# Altium PCB spin5v1_simple.PcbDoc (part 9 of 25) (continued)
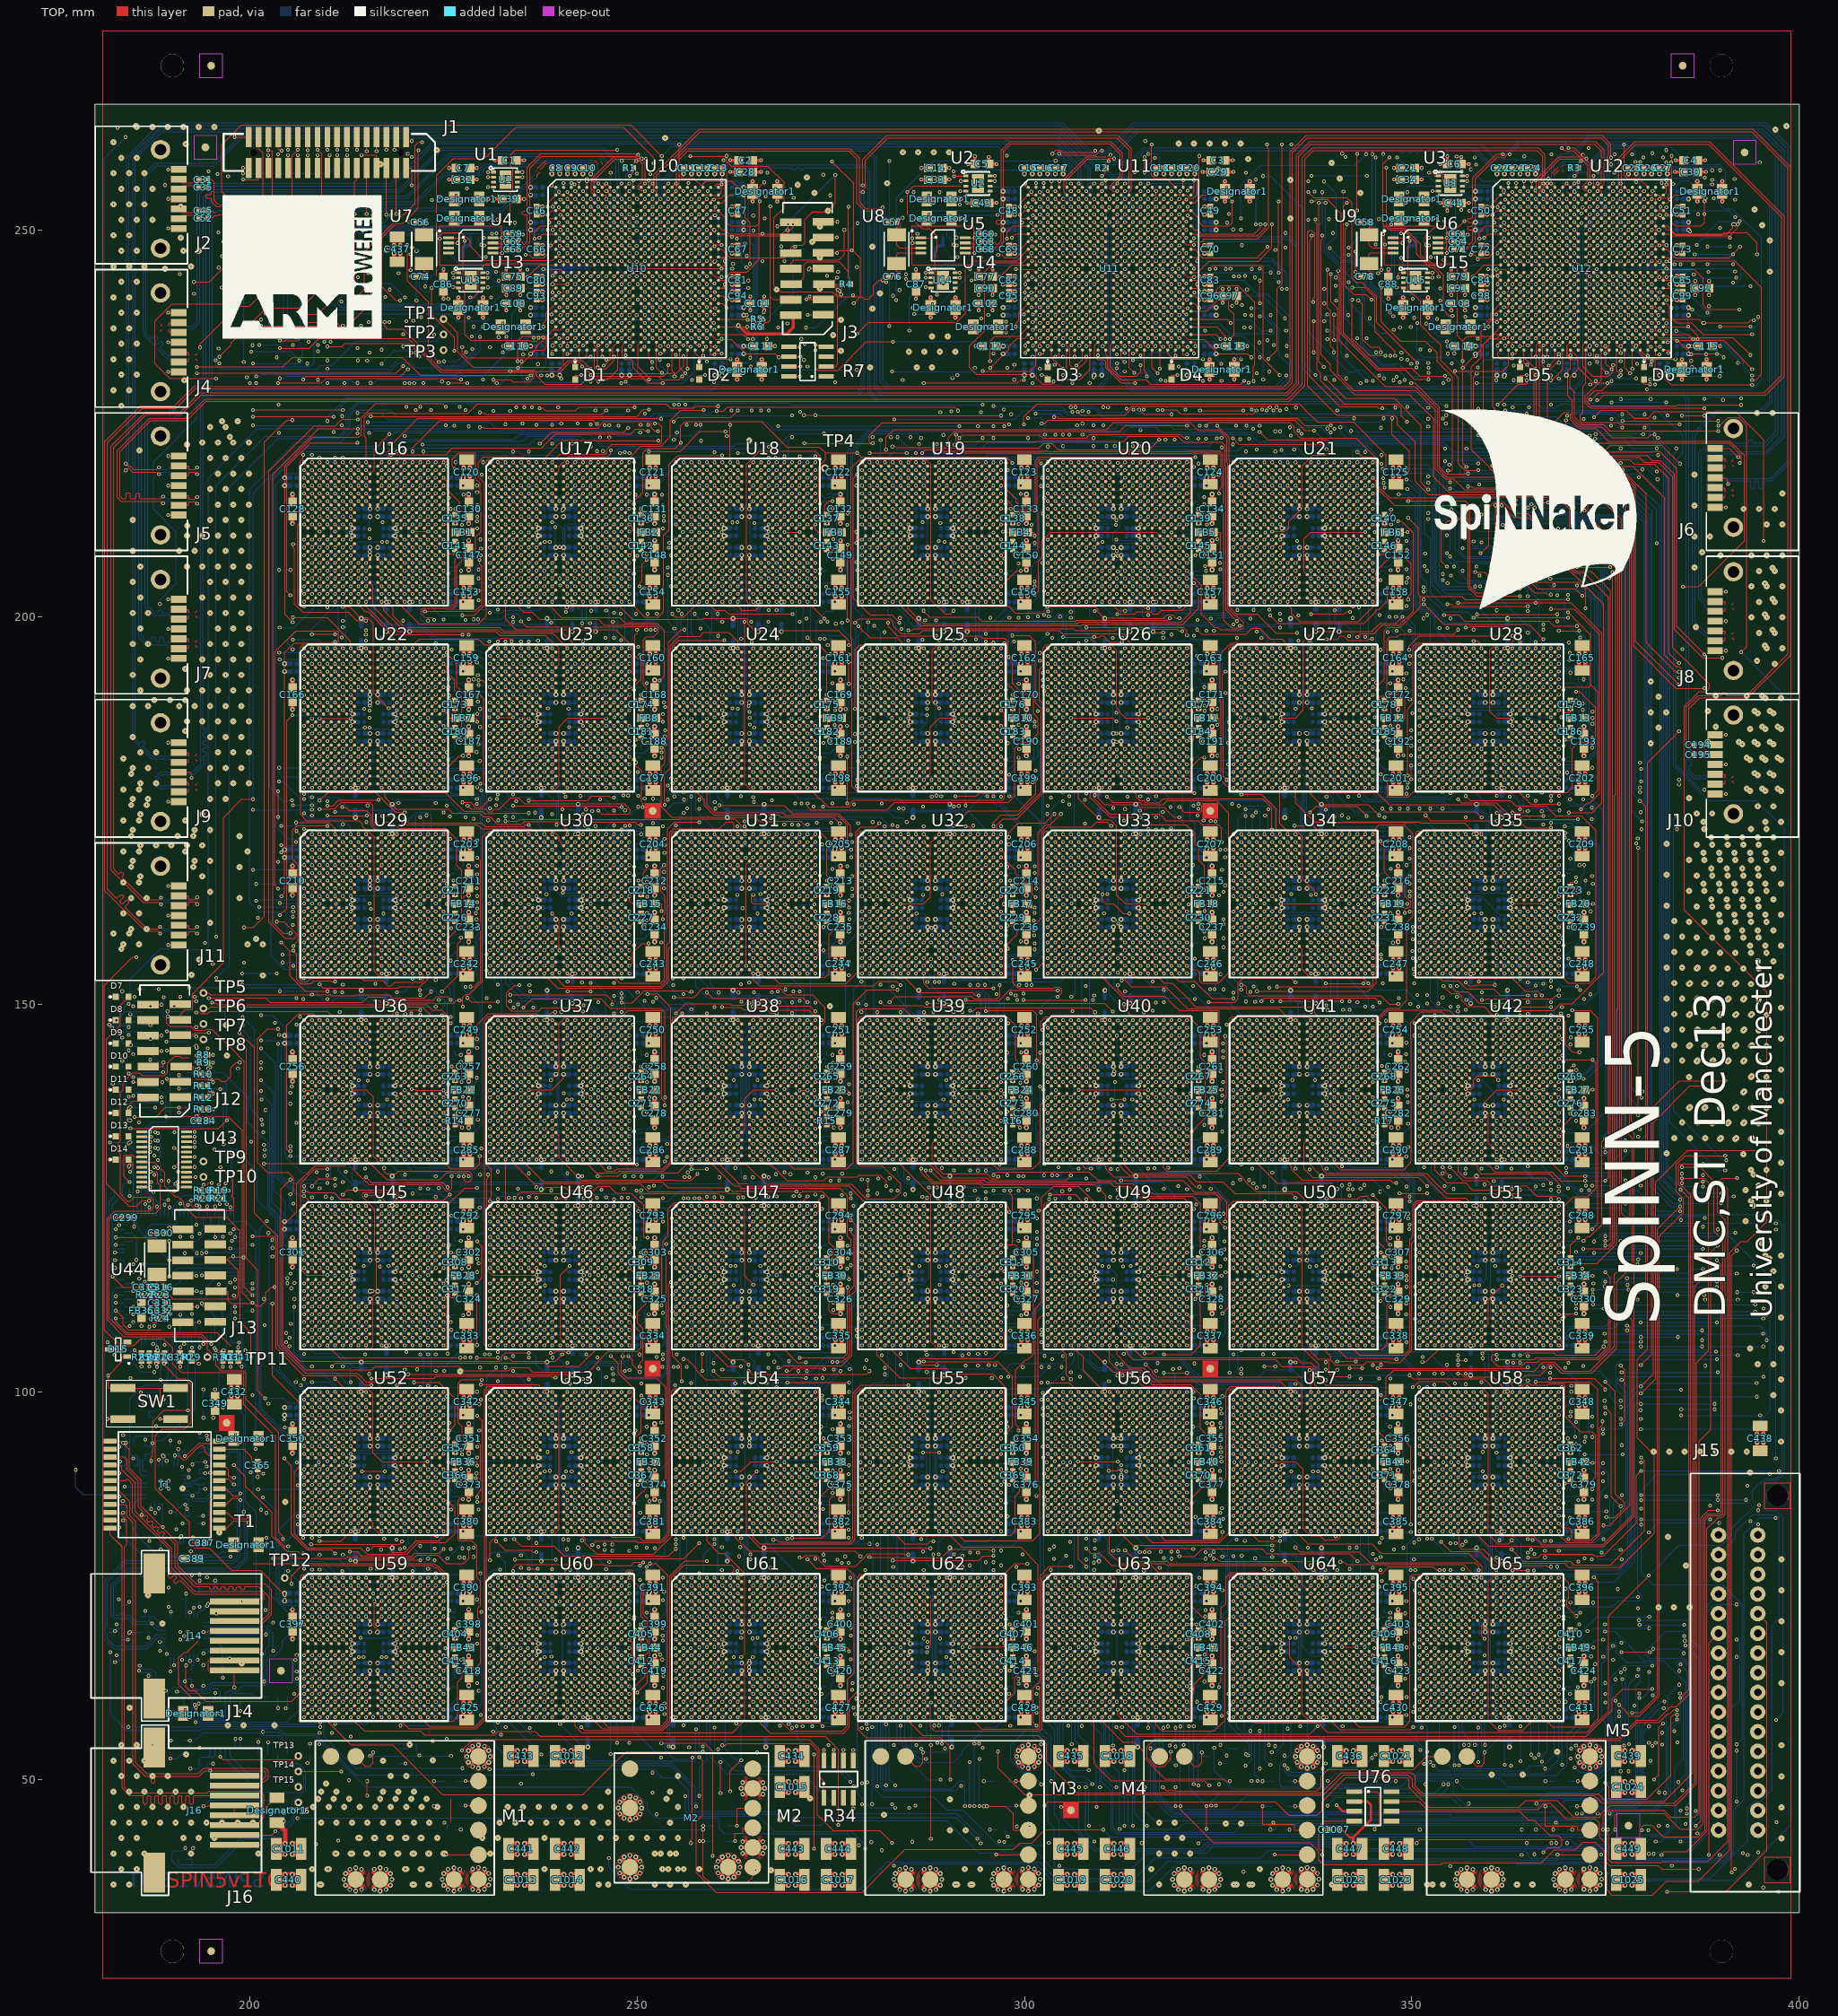
[diagram p0: TOP view]
## Nets (pads, with @x,y where several pads share a name; then routed paths per layer and width w, separated by ;. In a path a pad name is that pad's centre, name@x,y a point inside that pad or via, vN(x,y) a via of type N, cw(c..) or ccw(c..) an arc to the next point about the centre after c; other vN are vias at no path point) (continued)
S10_L0<4>: U31.R10 U32.D10
  other v1: 265,157 265.545,161.742 289,169 281.967,173
S10_L0<5>: U31.V11 U32.A11 | length 43.4
  TOP w0.127: 266,154 266.597,153.403 267.67,153.403 268.372,152.701 276.987,152.701 278.511,154.225 278.511,172.177 278.765,172.431 289.569,172.431 290,172
S10_L0<6>: U31.U11 U32.B11 | length 4.8
  TOP w0.127: v1(267.689,150.435) 268.188,150.934 271.369,150.934 v1(272,150.303)
  other v1: 266,155 290.95,162.931 290,171
S10_L0<7>: U31.T11 U32.C11
  other v1: 266,156 263.6,162.435 290,170 262.939,173.028 273.2,173.492 286.917,175.551
S10_L0<8>: U31.R9 U32.D9
  other v1: 263,157 273.431,165.465 287,169
S10_L0<9>: U31.V8 U32.A8 | length 19.3
  TOP w0.127: v1(260.6,175.727) 268.963,175.727 270.005,174.685 275.993,174.685 277.581,173.097 v1(277.581,171.9)
  other v1: 262,154 286,172
S10_L0<10>: U31.U8 U32.B8 | length 37
  BOTTOM w0.127: v1(262,155) 262.566,155.566 273.856,155.566 274.529,156.239 275.521,156.239 278.569,159.287 278.569,170.232 278.768,170.431 285.431,170.431 v1(286,171)
S10_L0<11>: U31.T8 U32.C8
  other v1: 262,156 286,170
S10_L0<12>: U31.R8 U32.D8
  other v1: 262,157 277.742,166.592 286,169
S10_L0<13>: U31.V9 U32.A9
  other v1: 263,154 269.099,162.931 283,162.931 287,172
S10_L0<14>: U31.U9 U32.B9
  other v1: 263,155 287,171
S10_L0<15>: U31.T9 U32.C9 | length 11.9
  TOP w0.127: v1(277.742,164.038) 278.257,164.553 278.257,172.304 278.892,172.939 280.8,172.939 v1(281.261,173.4)
  other v1: 263,156 287,170
S10_L1<0>: U24.D7 U31.V16
  other v1: 271,154 273.607,171.6 271.2,175.965 261,193
S10_L1<1>: U24.A6 U31.V14 | length 5.5
  BOTTOM w0.127: v1(257.431,200.432) 258.366,199.497 258.415,199.497 259.431,198.481 259.431,196.569 v1(260,196)
  other v1: 256,153.393 269,154
S10_L1<2>: U24.B6 U31.U14
  other v1: 254.597,153.393 269,155 254.393,177.818 253.604,185.4 260,195
S10_L1<3>: U24.C6 U31.T14
  other v1: 269,156 260,194
S10_L1<4>: U24.D6 U31.R14
  other v1: 269,157 267.275,174.07 260,193
S10_L1<5>: U24.A7 U31.V15 | length 32.7
  TOP w0.127: v1(270,154) 270.496,153.504 274.246,153.504 274.754,154.012 274.754,159.049 275.77,160.065 v1(277.335,160.065)
  BOTTOM w0.127: v1(270.8,173.2) 271.231,173.2 271.629,172.802 275.943,172.802 277.15,171.595 277.15,169.86 277.547,169.463 277.855,169.463 278.173,169.145 278.173,160.903 v1(277.335,160.065)
  other v1: 261,196
S10_L1<6>: U24.B7 U31.U15
  other v1: 247,152.819 270,155 254.793,176.857 253.597,183.596 261,195
S10_L1<7>: U24.C7 U31.T15
  other v1: 270,156 261,194
S10_L1<8>: U24.D5 U31.R13
  other v1: 268,157 259,193
S10_L1<9>: U24.A3 U31.V12
  other v1: 267,154 256.459,175.341 257,196
S10_L1<10>: U24.A4 U31.U12
  other v1: 267,155 258,175.264 258,196
S10_L1<11>: U24.B4 U31.T12 | length 11.1
  BOTTOM w0.127: v1(253.072,195.122) 253.072,194.691 253.353,194.41 253.353,190.421 252.911,189.979 252.911,185.294 v1(253.582,184.623)
  other v1: 267,156 265,176.78 258,195
S10_L1<12>: U24.C4 U31.R12 | length 24
  TOP w0.127: v1(265,164.172) 264.744,163.916 264.744,163.258 264.998,163.004 v1(266.95,163.004)
  BOTTOM w0.127: v1(258,194) 258,193.609 257.569,193.178 257.569,180.812 257.95,180.431 259.232,180.431 259.431,180.232 259.431,175.953 v1(260.087,175.297)
  other v1: 267,157
S10_L1<13>: U24.A5 U31.V13 | length 23.4
  BOTTOM w0.127: v1(259,196) 259.569,195.431 263.24,195.431 263.685,194.986 263.685,184.26 264.511,183.434 267.05,183.434 267.431,183.815 267.431,186.362 v1(268,186.931)
  other v1: 268,154 263,183 263,191
S10_L1<14>: U24.B5 U31.U13 | length 8.4
  BOTTOM w0.127: v1(259,186.931) 259.432,187.363 259.432,194.568 v1(259,195)
  other v1: 268,155
S10_L1<15>: U24.C5 U31.T13
  other v1: 268,156 265.115,185.742 257,186.931 259,194
S10_L2<0>: U23.R5 U31.R16
  other v1: 250.055,151.565 271,157 245.201,176.495 235,181
S10_L2<1>: U23.V3 U31.N15 | length 32.2
  TOP w0.127: v1(233,173.683) 234.575,173.683 234.793,173.901 255.383,173.901 255.454,173.972 262.605,173.972 263.431,173.146 263.431,172.5 v1(263.931,172)
  other v1: 270,159 233,178
S10_L2<2>: U23.V4 U31.N16 | length 21.7
  BOTTOM w0.127: v1(234,178) 233.568,178.432 233.568,180.177 233.822,180.431 241.187,180.431 241.505,180.113 241.505,177.848 241.95,177.403 246.947,177.403 247.431,176.919 247.431,175.445 247.812,175.064 248.431,175.064 v1(248.432,175.065)
  other v1: 248,153.393 271,159 263.487,160.067
S10_L2<3>: U23.U4 U31.N17 | length 27.5
  BOTTOM w0.127: v1(227.858,152.282) 228.266,151.874 228.832,151.874 229.404,152.446 229.404,158.271 230.035,158.902 230.035,177.488 v1(229.884,177.639)
  other v1: 263.401,152.642 241.02,152.972 272,159 234,179
S10_L2<4>: U23.T4 U31.N18 | length 27.9
  TOP w0.127: v1(263.862,173.028) 264.382,172.508 273.343,172.508 274.486,171.365 274.486,166.685 274.74,166.431 274.868,166.431 v1(275.107,166.192)
  BOTTOM w0.127: 234,180 234.432,179.568 234.432,177.911 234.94,177.403 238.266,177.403 239.6,176.069 v1(239.6,173.216)
  other v1: 273,159
S10_L2<5>: U23.V5 U31.P16 | length 7.5
  TOP w0.127: v1(243.251,173.119) 243.682,173.119 244.11,173.547 249.688,173.547 250.035,173.2 v1(250.466,173.2)
  other v1: 271,158 235,178
S10_L2<6>: U23.U5 U31.P17 | length 57.3
  BOTTOM w0.127: v1(235,179) 235.569,178.431 239.219,178.431 239.854,177.796 239.854,174.439 241.696,172.597 242.233,172.597 242.741,173.105 242.741,173.259 243.313,173.831 252.304,173.831 252.749,173.386 252.749,171.812 252.896,171.665 252.896,167.95 253.277,167.569 272.05,167.569 272.431,167.188 272.431,164.822 272.113,164.504 267.886,164.504 267.568,164.186 267.568,163.501 v1(268,163.069)
  other v1: 272,158
S10_L2<7>: U23.T5 U31.P18 | length 32.7
  TOP w0.127: v1(243.681,172.607) v1(248,172.607)
  BOTTOM w0.127: v1(251.3,165.221) 252.346,165.221 252.576,165.451 253.863,165.451 254.562,164.752 254.562,158.828 254.959,158.431 272.569,158.431 v1(273,158)
  other v1: 235,180
S10_L2<8>: U23.R7 U31.V18 | length 20.5
  BOTTOM w0.127: v1(248,150.841) 247.809,150.841 247.569,151.081 247.569,151.68 247.768,151.879 248.74,151.879 248.939,151.68 248.939,151.67 252.178,148.431 263.58,148.431 v1(264.907,149.758)
  other v1: 273,154 244.6,173.038 237,181
S10_L2<9>: U23.V6 U31.R17 | length 42.2
  BOTTOM w0.127: v1(236,162.931) 236.732,162.931 237.431,162.232 237.431,159.831 237.828,159.434 246.05,159.434 246.431,159.815 246.431,162.362 v1(247,162.931) ; v1(253.465,165.02) 254.308,164.177 254.308,158.066 254.943,157.431 271.569,157.431 v1(272,157)
  other v1: 236,178
S10_L2<10>: U23.U6 U31.R18
  other v1: 273,157 236,179
S10_L2<11>: U23.T6 U31.T16 | length 43.9
  TOP w0.127: v1(253.315,161.021) 253.315,161.452 253.597,161.734 253.597,164.026 253.034,164.589 253.034,165.252 253.233,165.451 253.316,165.451 253.515,165.65 v1(253.515,166.082)
  BOTTOM w0.127: v1(236,180) 236.569,179.431 239.219,179.431 240.108,178.542 240.108,176.402 241.078,175.432 241.078,175.388 241.332,175.134 242.67,175.134 242.741,175.205 242.741,175.219 243.138,175.616 245.445,175.616 246.436,174.625 249.212,174.625 v1(250.12,175.533) ; v1(252.465,150.865) 253.783,149.547 256.178,149.547 256.792,148.933 257.232,148.933 257.431,149.132 257.431,149.737 256.859,150.309 256.213,150.309 253.546,152.976 253.546,160.359 253.315,160.59 v1(253.315,161.021)
  other v1: 271,156
S10_L2<12>: U23.R6 U31.T17 | length 47.8
  BOTTOM w0.127: v1(242.672,176.926) 245.432,176.926 246.448,175.91 246.448,175.608 v1(247,175.056) ; v1(256.978,176.864) 256.978,172.635 256.569,172.226 256.569,171.768 256.768,171.569 271.232,171.569 271.431,171.768 271.431,172.05 271.812,172.431 275.943,172.431 276.896,171.478 276.896,169.716 275.668,168.488 275.668,158.143 274.525,157 v1(274.062,157)
  other v1: 272,156 236,181
S10_L2<13>: U23.V7 U31.T18 | length 4.7
  TOP w0.127: v1(273,156) 273.431,156.431 v1(273.431,160.5)
  other v1: 263.862,173.635 239,174.579 237,178
S10_L2<14>: U23.U7 U31.U17
  other v1: 252.034,150.365 263.476,150.365 272,155 237,179
S10_L2<15>: U23.T7 U31.U18 | length 20.7
  BOTTOM w0.127: v1(258,163.068) 258.431,162.637 258.431,159.942 258.939,159.434 270.05,159.434 270.431,159.815 270.431,162.042 271.32,162.931 v1(272.901,162.931)
  other v1: 273,155 248,162.932 237,180
S11_L0<0>: U24.R11 U26.D11 | length 9.3
  BOTTOM w0.127: v1(311.863,184.985) 312.321,185.443 312.321,191.986 312.766,192.431 313.431,192.431 314,193
  other v1: 266,181
S11_L0<1>: U24.V10 U26.A10 | length 13.4
  BOTTOM w0.127: v1(301.329,185.906) 301.775,185.906 302.172,186.303 302.172,188.801 301.562,189.411 301.562,196.418 v1(302.982,197.838)
  other v1: 265,178 293,186.931 279,186.966 313,196
S11_L0<2>: U24.U10 U26.B10
  other v1: 265.083,176.173 301.072,178.692 265,179 301.741,187.913 313,195
S11_L0<3>: U24.T10 U26.C10 | length 4
  BOTTOM w0.127: v1(312.6,197.407) 312.409,197.407 312.169,197.167 312.169,194.831 v1(313,194)
  other v1: 265,180 273.607,185.4 285,186.965 305,187.069 307,196.607
S11_L0<4>: U24.R10 U26.D10
  other v1: 265,181 264.513,184.101 271,186.931 313,193
S11_L0<5>: U24.V11 U26.A11
  other v1: 266,178 311.931,182.901 314,196
S11_L0<6>: U24.U11 U26.B11
  other v1: 266,179 314,195
S11_L0<7>: U24.T11 U26.C11
  other v1: 266,180 311.931,182 314,194
S11_L0<8>: U24.R9 U26.D9
  other v1: 263,181 311,193
S11_L0<9>: U24.V8 U26.A8 | length 2.4
  BOTTOM w0.127: v1(308,197.007) 309.034,197.007 309.431,196.61 309.431,196.569 310,196
S11_L0<10>: U24.U8 U26.B8 | length 22.8
  BOTTOM w0.127: v1(262,179) 261.568,179.432 261.568,181.177 261.822,181.431 273.388,181.431 273.982,180.837 274.727,180.837 275.616,181.726 275.616,182.182 276.442,183.008 277.153,183.008 277.598,183.453 277.598,183.982 277.099,184.481 v1(277.099,186)
  other v1: 299.237,181.892 310,195 301.993,195.4
S11_L0<11>: U24.T8 U26.C8 | length 6
  TOP w0.127: v1(306,186.996) 311.432,186.996 v1(311.863,186.565)
  other v1: 262,180 273.763,189.2 310,194
S11_L0<12>: U24.R8 U26.D8 | length 44.2
  BOTTOM w0.127: v1(262,181) 262.391,181 262.822,180.569 287.221,180.569 288.555,181.903 288.555,196.177 288.809,196.431 290.217,196.431 v1(290.865,197.079)
  other v1: 310,193
S11_L0<13>: U24.V9 U26.A9 | length 51.3
  BOTTOM w0.127: v1(263,178) 263.505,178.505 273.177,178.505 273.431,178.759 273.431,179.159 274.511,180.239 277.813,180.239 278.621,179.431 293.232,179.431 293.431,179.232 293.431,178.95 293.812,178.569 297.232,178.569 297.431,178.768 297.431,179.742 298.828,181.139 300.428,181.139 301.254,181.965 301.254,184.288 301.651,184.685 301.68,184.685 302.569,185.574 v1(302.569,190.465)
  other v1: 311,196
S11_L0<14>: U24.U9 U26.B9 | length 50.1
  TOP w0.127: v1(272,175.965) 272,175.531 272.397,175.134 282.263,175.134 283.257,176.128 297.928,176.128 298.754,176.954 298.754,183.04 299.58,183.866 300.63,183.866 301.773,185.009 301.773,186.951 301.166,187.558 301.166,189.625 300.721,190.07 299.638,190.07 299.439,190.269 299.439,190.486 298.486,191.439 298.486,194.205 297.99,194.701 v1(297.99,194.865)
  other v1: 263,179 311,195
S11_L0<15>: U24.T9 U26.C9 | length 10.4
  BOTTOM w0.127: 311,194 311.432,193.568 311.432,184.4 v1(311.901,183.931)
  other v1: 283.767,175.313 303.4,176.733 263,180
S11_L1<0>: U20.D7 U24.V16 | length 18.1
  BOTTOM w0.127: v1(271,178) 271.597,177.403 288.214,177.403 v1(288.645,176.972)
  other v1: 303,175.696 309,217
S11_L1<1>: U20.A6 U24.V14
  other v1: 281.567,175.951 289.252,176.907 269,178 274.928,179.742 303.6,197.32 308,220
S11_L1<2>: U20.B6 U24.U14 | length 28.3
  BOTTOM w0.127: v1(277.167,213.4) 277.167,221.45 279.707,223.99 295.139,223.99 v1(296,223.129)
  other v1: 269,179 308,219
S11_L1<3>: U20.C6 U24.T14
  other v1: 269,180 301.467,180.2 303.149,200.13 308,218 304,223.568
S11_L1<4>: U20.D6 U24.R14
  other v1: 308,177.241 269,181 308,217
S11_L1<5>: U20.A7 U24.V15 | length 10.5
  BOTTOM w0.127: v1(296,227.261) 304.762,227.261 305.509,226.514 v1(306.2,226.514)
  other v1: 270,178 297.431,207.569 309,220
S11_L1<6>: U20.B7 U24.U15
  other v1: 302.956,174.6 274,175.566 270,179 309,219
S11_L1<7>: U20.C7 U24.T15 | length 18.6
  BOTTOM w0.127: v1(301.332,209.584) 300.901,209.584 300.728,209.411 300.008,209.411 299.754,209.665 299.754,212.843 301.15,214.239 301.15,217.479 302.103,218.432 308.568,218.432 v1(309,218)
  other v1: 270,180 275.237,185 302.391,191.072
S11_L1<8>: U20.D5 U24.R13
  other v1: 268,181 307,217
S11_L1<9>: U20.A3 U24.V12
  other v1: 267,178 305,220
S11_L1<10>: U20.A4 U24.U12
  other v1: 267,179 297.862,183.758 306,220
S11_L1<11>: U20.B4 U24.T12
  other v1: 267,180 306,219
S11_L1<12>: U20.C4 U24.R12
  other v1: 267,181 306,218
S11_L1<13>: U20.A5 U24.V13 | length 19.4
  BOTTOM w0.127: v1(278.393,206.079) 278.883,206.569 281.232,206.569 281.431,206.768 v1(281.431,222.856)
  other v1: 268,178 307,220
S11_L1<14>: U20.B5 U24.U13
  other v1: 268,179 307,219
S11_L1<15>: U20.C5 U24.T13
  other v1: 298.062,176.906 268,180 301.742,200.13 302.373,213.4 307,218
S11_L2<0>: U24.R16 U25.R5
  other v1: 271,181 283,181
S11_L2<1>: U24.N15 U25.V3
  other v1: 281,178 270,183
S11_L2<2>: U24.N16 U25.V4
  other v1: 282,178 271,183
S11_L2<3>: U24.N17 U25.U4
  other v1: 282,179 272,183
S11_L2<4>: U24.N18 U25.T4
  other v1: 282,180 273,183
S11_L2<5>: U24.P16 U25.V5
  other v1: 283,178 278.393,179 271,182
S11_L2<6>: U24.P17 U25.U5
  other v1: 283,179 272,182
S11_L2<7>: U24.P18 U25.T5
  other v1: 283,180 273,182
S11_L2<8>: U24.V18 U25.R7
  other v1: 273,178 285,181
S11_L2<9>: U24.R17 U25.V6
  other v1: 284,178 278.338,178.2 272,181
S11_L2<10>: U24.R18 U25.U6
  other v1: 284,179 273,181
S11_L2<11>: U24.T16 U25.T6
  other v1: 271,180 284,180
S11_L2<12>: U24.T17 U25.R6
  other v1: 272,180 284,181
S11_L2<13>: U24.T18 U25.V7
  other v1: 285,178 273,180
S11_L2<14>: U24.U17 U25.U7
  other v1: 272,179 285,179
S11_L2<15>: U24.U18 U25.T7
  other v1: 273,179 285,180
S12_L0<0>: U26.R11 U34.D11
  other v1: 338,169 314,181
S12_L0<1>: U26.V10 U34.A10
  other v1: 337,172 316,176.483 313,178
S12_L0<2>: U26.U10 U34.B10
  other v1: 337,171 326.829,175.89 314.964,176.883 313,179
S12_L0<3>: U26.T10 U34.C10 | length 33.6
  BOTTOM w0.127: v1(313,180) 313.493,180.493 335.177,180.493 336.193,179.477 336.193,170.807 v1(337,170)
S12_L0<4>: U26.R10 U34.D10 | length 35.2
  BOTTOM w0.127: v1(313,181) 312.569,180.569 312.569,179.768 312.768,179.569 321.858,179.569 322.528,180.239 325.761,180.239 326.569,179.431 328.232,179.431 328.431,179.232 328.431,177.911 328.939,177.403 334.224,177.403 335.685,175.942 335.685,169.826 336.511,169 v1(337,169)
S12_L0<5>: U26.V11 U34.A11 | length 22.7
  TOP w0.127: v1(314,178) 314,177.608 314.496,177.112 314.496,176.738 314.893,176.341 315.359,176.341 315.648,176.052 317.424,176.052 317.947,176.575 330.787,176.575 331.93,175.432 v1(331.93,172.607)
  other v1: 338,172
S12_L0<6>: U26.U11 U34.B11
  other v1: 338,171 314,179
S12_L0<7>: U26.T11 U34.C11 | length 2
  BOTTOM w0.127: v1(314.966,174.158) 316,173.124 v1(316,172.629)
  other v1: 321.685,164.6 325.915,165.393 338,170 314,180
S12_L0<8>: U26.R9 U34.D9 | length 19.1
  BOTTOM w0.127: v1(321.848,175.683) 321.848,176.122 322.047,176.321 331.478,176.321 332.939,174.86 332.939,173.447 333.955,172.431 334.232,172.431 334.431,172.232 334.431,169.569 v1(335,169)
  other v1: 311,181 321.906,197.63
S12_L0<9>: U26.V8 U34.A8
  other v1: 334,172 310,178 309,179 312.067,180
S12_L0<10>: U26.U8 U34.B8 | length 10
  BOTTOM w0.127: v1(327.685,175.652) 331.732,175.652 332.431,174.953 332.431,171.939 332.939,171.431 333.569,171.431 v1(334,171)
  other v1: 317.862,174.883 310,179
S12_L0<11>: U26.T8 U34.C8 | length 18.3
  BOTTOM w0.127: v1(310,180) 310.432,179.568 310.432,178.939 310.94,178.431 320.232,178.431 320.431,178.232 320.431,173.527 321.607,172.351 v1(321.607,171.908)
  other v1: 334,170
S12_L0<12>: U26.R8 U34.D8
  other v1: 310.719,164.258 325.915,169 334,169 310,181
S12_L0<13>: U26.V9 U34.A9 | length 13.9
  TOP w0.127: v1(311,178) 310.403,177.403 309.758,177.403 309.504,177.149 309.504,176.659 310.33,175.833 314.55,175.833 314.932,175.451 318.094,175.451 318.293,175.252 318.293,175.205 319.309,174.189 v1(320,174.189)
  other v1: 335,172
S12_L0<14>: U26.U9 U34.B9
  other v1: 334.455,164.258 335,171 311,179
S12_L0<15>: U26.T9 U34.C9 | length 20.2
  TOP w0.127: v1(309.073,177.042) 309.073,176.558 311.042,174.589 317.431,174.589 318.262,173.758 322.433,173.758 322.975,173.216 325.068,173.216 325.465,172.819 v1(325.465,171.001)
  other v1: 335,170 311,180
S12_L1<0>: U26.V16 U27.D7
  other v1: 319,178 328.931,186.931 333,193
S12_L1<1>: U26.V14 U27.A6 | length 35.2
  TOP w0.127: v1(325.977,193) 325.546,192.569 325.546,189.669 325.674,189.541 325.674,179.448 v1(326.122,179)
  BOTTOM w0.127: v1(317,178) 317.391,178 317.822,177.569 317.843,177.569 319.431,175.981 319.431,171.922 319.876,171.477 321.839,171.477 322.038,171.676 322.038,173.391 321.417,174.012 321.417,176.074 322.052,176.709 323.831,176.709 v1(326.122,179)
  other v1: 332,196
S12_L1<2>: U26.U14 U27.B6 | length 14.5
  BOTTOM w0.127: v1(326.322,183.8) 325.977,184.145 325.977,186.723 326.422,187.168 326.796,187.168 327.431,187.803 v1(327.431,197.336)
  other v1: 322.455,175.283 317,179 332,195
S12_L1<3>: U26.T14 U27.C6
  other v1: 317,180 332,194
S12_L1<4>: U26.R14 U27.D6
  other v1: 317,176.884 317,181 329.966,186.931 332,193
S12_L1<5>: U26.V15 U27.A7 | length 27.5
  TOP w0.127: v1(327.43,177.569) 326.817,177.569 325.42,178.966 325.42,189.033 325.292,189.161 325.292,195.288 326.689,196.685 332.315,196.685 v1(333,196)
  other v1: 318,178
S12_L1<6>: U26.U15 U27.B7 | length 8.4
  BOTTOM w0.127: v1(331.93,187.069) 332.431,187.57 332.431,194.431 v1(333,195)
  other v1: 318,179
S12_L1<7>: U26.T15 U27.C7
  other v1: 318,180 333,194
S12_L1<8>: U26.R13 U27.D5
  other v1: 316,181 325.977,190.2 331,193
S12_L1<9>: U26.V12 U27.A3 | length 19.7
  TOP w0.127: v1(315,178) 315.685,177.315 v1(321.938,177.315)
  BOTTOM w0.127: v1(326.489,185.431) 328.05,185.431 328.431,185.812 328.431,195.431 v1(329,196)
S12_L1<10>: U26.U12 U27.A4 | length 17.8
  TOP w0.127: v1(320,175.483) 320.631,174.852 322.687,174.852 322.886,175.051 322.886,175.65 322.646,175.89 v1(322.455,175.89) ; v1(326.408,186.483) 326.408,196.034 326.805,196.431 329.569,196.431 v1(330,196)
  other v1: 315,179
S12_L1<11>: U26.T12 U27.B4
  other v1: 315,180 330,195
S12_L1<12>: U26.R12 U27.C4
  other v1: 315,181 330,194
S12_L1<13>: U26.V13 U27.A5 | length 32.7
  TOP w0.127: v1(316,178) 316.431,177.569 321.232,177.569 321.431,177.768 321.431,180.558 322.765,181.892 v1(323.227,181.892)
  BOTTOM w0.127: v1(323.227,181.892) 323.658,181.892 323.981,181.569 330.232,181.569 330.431,181.768 330.431,195.431 v1(331,196)
S12_L1<14>: U26.U13 U27.B5
  other v1: 316,179 321.607,190.6 331,195
S12_L1<15>: U26.T13 U27.C5
  other v1: 316,180 331,194
S12_L2<0>: U20.R5 U26.R16
  other v1: 319,181 319,187.067 307,205
S12_L2<1>: U20.V3 U26.N15 | length 25
  TOP w0.127: v1(305,197.438) 308.371,197.438 308.57,197.239 308.57,197.225 309.364,196.431 311.192,196.431 311.891,195.732 311.891,188.329 312.331,187.889 312.331,187.703 313.03,187.004 v1(316,187.004)
  BOTTOM w0.127: v1(316,187.004) 316.431,186.573 316.431,183.939 316.939,183.431 317.569,183.431 v1(318,183)
  other v1: 305,202
S12_L2<2>: U20.V4 U26.N16
  other v1: 319,183 306,202
S12_L2<3>: U20.U4 U26.N17
  other v1: 320,183 306,203
S12_L2<4>: U20.T4 U26.N18 | length 34.6
  TOP w0.127: v1(309.001,197.438) 309.644,197.438 309.795,197.589 310.205,197.589 310.574,197.22 310.574,197.197 310.971,196.8 v1(312.6,196.8)
  BOTTOM w0.127: v1(306,204) 306.432,203.568 306.432,199.534 308.528,197.438 v1(309.001,197.438) ; v1(312.6,196.8) 312.6,196.369 312.568,196.337 312.568,194.823 312.822,194.569 322.546,194.569 322.991,195.014 322.991,195.342 323.388,195.739 324.642,195.739 324.896,195.485 324.896,188.615 324.922,188.589 v1(324.922,188.158)
  other v1: 321,183
S12_L2<5>: U20.V5 U26.P16
  other v1: 318.862,175.483 319,182 307,202
S12_L2<6>: U20.U5 U26.P17
  other v1: 320,182 320.001,187 307,203
S12_L2<7>: U20.T5 U26.P18 | length 20.6
  BOTTOM w0.127: v1(305,177.393) 305.191,177.393 305.431,177.633 305.431,180.05 305.812,180.431 311.549,180.431 v1(312.069,180.951) ; v1(313.298,185.742) 314,185.742 314.508,185.234 314.508,182.868 314.905,182.471 320.529,182.471 v1(321,182)
  other v1: 307,204
S12_L2<8>: U20.R7 U26.V18
  other v1: 321,178 318,187.067 309,205
S12_L2<9>: U20.V6 U26.R17 | length 32.9
  TOP w0.127: v1(308,198.695) 308.431,198.695 308.441,198.705 320.555,198.705 321,198.26 v1(321,197.702)
  BOTTOM w0.127: v1(321,197.702) 321.503,197.199 323.958,197.199 325.546,195.611 325.546,189.382 325.607,189.321 325.607,182.824 v1(324.922,182.139)
  other v1: 320,181 308,202
S12_L2<10>: U20.U6 U26.R18 | length 35.6
  BOTTOM w0.127: v1(308,203) 308.432,202.568 308.432,200.073 309.385,199.12 310.397,199.12 310.969,198.548 310.969,196.578 310.569,196.178 310.569,195.939 310.061,195.431 309.82,195.431 309.439,195.05 309.439,181.939 309.947,181.431 320.569,181.431 321,181
S12_L2<11>: U20.T6 U26.T16
  other v1: 319,180 308,204
S12_L2<12>: U20.R6 U26.T17
  other v1: 320,180 319,197.776 308,205 310.067,209.742
S12_L2<13>: U20.V7 U26.T18
  other v1: 321,180 309,202
S12_L2<14>: U20.U7 U26.U17
  other v1: 320,179 309,203
S12_L2<15>: U20.T7 U26.U18
  other v1: 321,179 309,204
S13_L0<0>: U34.R11 U42.D11
  other v1: 362,145 338,157
S13_L0<1>: U34.V10 U42.A10 | length 9
  TOP w0.127: v1(354.116,152.39) 355.063,151.443 356.05,151.443 356.431,151.062 356.431,150.579 357.257,149.753 359.304,149.753 359.939,149.118 359.939,149.061 v1(361,148)
  other v1: 337,154
S13_L0<2>: U34.U10 U42.B10 | length 4
  TOP w0.127: v1(357,152.842) 357.431,152.411 358.205,152.411 358.335,152.541 v1(360.729,152.541)
  other v1: 361,147 342,150.438 350.739,151.238 337,155
S13_L0<3>: U34.T10 U42.C10
  other v1: 361,146 337,156
S13_L0<4>: U34.R10 U42.D10
  other v1: 361,145 356,149.723 360.728,149.723 343,150.307 337,157
S13_L0<5>: U34.V11 U42.A11
  other v1: 362,148 357,149.322 338.959,149.907 338,154
S13_L0<6>: U34.U11 U42.B11
  other v1: 362,147 355,149.723 346.269,152.735 338,155
S13_L0<7>: U34.T11 U42.C11 | length 11.9
  BOTTOM w0.127: v1(352,150.123) 352.831,149.292 353.508,149.292 354.369,148.431 359.232,148.431 359.431,148.232 359.431,147.955 360.955,146.431 361.569,146.431 v1(362,146)
  other v1: 337.073,149.062 338,156
S13_L0<8>: U34.R9 U42.D9 | length 32.3
  TOP w0.127: U34.R9@335.5,157.5 335.891,157.109 335.891,154.483 336.971,153.403 343.762,153.403 v1(344.43,152.735)
  BOTTOM w0.127: v1(344.43,152.735) 345.242,151.923 349.272,151.923 351.431,149.764 351.431,147.939 351.939,147.431 358.232,147.431 358.431,147.232 358.431,145.569 v1(359,145)
  other v1: 335,157
S13_L0<9>: U34.V8 U42.A8 | length 13.7
  TOP w0.127: v1(345.862,147.6) 345.862,148.149 347.005,149.292 354.823,149.292 355.684,148.431 357.569,148.431 v1(358,148)
  other v1: 334,154
S13_L0<10>: U34.U8 U42.B8
  other v1: 358,147 350.393,147.6 334,155
S13_L0<11>: U34.T8 U42.C8 | length 30.6
  BOTTOM w0.127: v1(334,156) 334.391,156 334.822,156.431 341.232,156.431 341.431,156.232 341.431,153.869 344.431,150.869 344.431,149.69 344.812,149.309 347.88,149.309 349.912,147.277 349.912,147.257 350.738,146.431 357.569,146.431 v1(358,146)
S13_L0<12>: U34.R8 U42.D8 | length 18.2
  BOTTOM w0.127: v1(342,149.308) 342.623,148.685 347.689,148.685 349.404,146.97 349.404,146.29 350.198,145.496 357.504,145.496 v1(358,145)
  other v1: 334,157
S13_L0<13>: U34.V9 U42.A9
  other v1: 359,148 335,154
S13_L0<14>: U34.U9 U42.B9 | length 5.9
  TOP w0.127: v1(333.099,162.996) v1(339.001,162.996)
  other v1: 359,147 339.138,149.3 350.826,149.723 335,155
S13_L0<15>: U34.T9 U42.C9 | length 7.9
  TOP w0.127: v1(333.083,150.435) v1(341,150.435)
  other v1: 359,146 335,156
S13_L1<0>: U34.V16 U35.D7 | length 4.1
  BOTTOM w0.127: v1(343,154) 343.505,154.505 345.177,154.505 345.431,154.759 345.431,155.253 v1(346.031,155.853)
  other v1: 357,169 346.5,174.155 357,174.158
S13_L1<1>: U34.V14 U35.A6
  other v1: 341,154 355,163.067 356,172
S13_L1<2>: U34.U14 U35.B6
  other v1: 341,155 356,171
S13_L1<3>: U34.T14 U35.C6
  other v1: 341,156 356,170
S13_L1<4>: U34.R14 U35.D6 | length 18.8
  BOTTOM w0.127: v1(341,157) 341.432,157.432 341.432,158.051 341.877,158.496 347.698,158.496 349.707,160.505 355.177,160.505 355.431,160.759 355.431,162.362 v1(356,162.931)
  other v1: 356,169
S13_L1<5>: U34.V15 U35.A7 | length 23.4
  TOP w0.127: v1(350.569,155.57) 350.569,172.232 350.768,172.431 356.569,172.431 v1(357,172)
  other v1: 342,154
S13_L1<6>: U34.U15 U35.B7
  other v1: 342,155 357,171
S13_L1<7>: U34.T15 U35.C7 | length 4.2
  BOTTOM w0.127: v1(342,156) 342.46,156.46 v1(346.033,156.46)
  other v1: 357,170
S13_L1<8>: U34.R13 U35.D5
  other v1: 340,157 349.755,162 349.744,164 355,169
S13_L1<9>: U34.V12 U35.A3
  other v1: 339,154 337,164.172 353,172
S13_L1<10>: U34.U12 U35.A4
  other v1: 339,155 354,172
S13_L1<11>: U34.T12 U35.B4
  other v1: 339,156 354,171
S13_L1<12>: U34.R12 U35.C4
  other v1: 339,157 354,170
S13_L1<13>: U34.V13 U35.A5
  other v1: 340,154 349.755,171.6 355,172
S13_L1<14>: U34.U13 U35.B5
  other v1: 340,155 355,171
S13_L1<15>: U34.T13 U35.C5
  other v1: 340,156 355,170 349.755,170.2
S13_L2<0>: U27.R5 U34.R16
  other v1: 343,157 331,181
S13_L2<1>: U27.V3 U34.N15 | length 28.3
  BOTTOM w0.127: v1(328.569,174.358) 328.569,159.812 328.95,159.431 341.569,159.431 v1(342,159)
  other v1: 329,178
S13_L2<2>: U27.V4 U34.N16
  other v1: 343,159 330,178
S13_L2<3>: U27.U4 U34.N17 | length 24.9
  BOTTOM w0.127: v1(331.499,175.221) 331.499,167.887 331.817,167.569 344.051,167.569 344.432,167.188 344.432,163.499 v1(344,163.067)
  other v1: 344,159 330,179
S13_L2<4>: U27.T4 U34.N18 | length 30.2
  BOTTOM w0.127: v1(329.449,174.359) 329.449,161.884 329.767,161.566 344.05,161.566 344.431,161.185 344.431,159.569 v1(345,159)
  other v1: 330,180
S13_L2<5>: U27.V5 U34.P16 | length 8.2
  TOP w0.127: v1(336.878,174.821) 337.647,175.59 342.965,175.59 v1(344.2,174.355)
  other v1: 343,158 331,178
S13_L2<6>: U27.U5 U34.P17
  other v1: 344,158 331,179
S13_L2<7>: U27.T5 U34.P18 | length 46.7
  TOP w0.127: v1(330.031,151.731) 344.415,151.731 345.431,152.747 345.431,157.569 v1(345,158)
  BOTTOM w0.127: v1(324.666,173.647) 326.398,171.915 326.398,153.988 327.414,152.972 329.634,152.972 330.031,152.575 v1(330.031,151.731)
  other v1: 331,180
S13_L2<8>: U27.R7 U34.V18 | length 13.9
  TOP w0.127: v1(332.6,152.304) 344.619,152.304 345,152.685 v1(345,154)
  other v1: 333,181
S13_L2<9>: U27.V6 U34.R17
  other v1: 344,157 332,178
S13_L2<10>: U27.U6 U34.R18 | length 38.6
  BOTTOM w0.127: v1(332,179) 332.569,178.431 335.24,178.431 335.939,177.732 335.939,170.395 336.765,169.569 345.232,169.569 345.431,169.768 345.431,171.167 346.003,171.739 348.642,171.739 348.896,171.485 348.896,164.02 347.943,163.067 v1(345.093,163.067)
  other v1: 345,157
S13_L2<11>: U27.T6 U34.T16
  other v1: 343,156 329.901,163.067 332,180
S13_L2<12>: U27.R6 U34.T17 | length 39.5
  TOP w0.127: v1(338.917,152.735) v1(343.8,152.735)
  BOTTOM w0.127: v1(329.879,174.79) 328.363,174.79 327.569,173.996 327.569,153.8 327.966,153.403 338.249,153.403 v1(338.917,152.735)
  other v1: 344,156 332,181
S13_L2<13>: U27.V7 U34.T18 | length 16.4
  TOP w0.127: v1(333,178) 333,173.384 333.953,172.431 335.192,172.431 335.891,171.732 335.891,166.254 337.431,164.714 337.431,164.472 v1(337.661,164.242)
  other v1: 345,156
S13_L2<14>: U27.U7 U34.U17
  other v1: 344,155 333,179
S13_L2<15>: U27.T7 U34.U18
  other v1: 345,155 341.951,163.067 341,174.435 333,180
S14_L0<0>: U41.R11 U51.D11 | length 14
  TOP w0.127: v1(339,124.927) 343.041,124.927 343.406,125.292 344.197,125.292 344.804,124.685 344.986,124.685 345.431,124.24 345.431,119.649 346.511,118.569 346.538,118.569 346.796,118.311 v1(347.227,118.311)
  other v1: 350.542,117.57 362,121 338,133
S14_L0<1>: U41.V10 U51.A10 | length 27
  TOP w0.127: 337,130 337,129.277 337.253,129.024 337.253,128.93 338.206,127.977 351.542,127.977 352.431,127.088 352.431,127.063 354.463,125.031 356.954,125.031 357.553,124.432 360.568,124.432 v1(361,124)
S14_L0<2>: U41.U10 U51.B10 | length 13.7
  TOP w0.127: v1(348.448,125.638) v1(352,125.638)
  BOTTOM w0.127: v1(352,125.638) 353.207,124.431 359.585,124.431 359.685,124.331 359.685,124.315 361,123
  other v1: 337,131
S14_L0<3>: U41.T10 U51.C10 | length 20.7
  TOP w0.127: U41.T10@336.5,132.5 336.109,132.109 336.109,128.784 337.189,127.704 350.881,127.704 v1(352,126.585)
  other v1: 361,122
S14_L0<4>: U41.R10 U51.D10
  other v1: 361,121 337,133
S14_L0<5>: U41.V11 U51.A11 | length 27.2
  TOP w0.127: v1(338,130) 338,129.608 338.496,129.112 338.496,128.74 339.004,128.232 351.891,128.232 352.685,127.438 352.685,127.431 354.527,125.589 360.805,125.589 361.504,124.89 361.504,124.888 362,124.392 v1(362,124)
S14_L0<6>: U41.U11 U51.B11
  other v1: 362,123 338,131
S14_L0<7>: U41.T11 U51.C11
  other v1: 362,122 338,132
S14_L0<8>: U41.R9 U51.D9
  other v1: 359,121 335,133

## Text inside footprints (layer, text, board x,y; h text height)
U24: PIN_NUMBER "J17" at 271.166,187.5 h0.24; PIN_NUMBER "M17" at 271.166,184.5 h0.24; PIN_NUMBER "M18" at 272.166,184.5 h0.24; PIN_NUMBER "J18" at 272.166,187.5 h0.24; PIN_NUMBER "J16" at 270.166,187.5 h0.24; PIN_NUMBER "C17" at 271.166,193.5 h0.24; PIN_NUMBER "C18" at 272.166,193.5 h0.24; PIN_NUMBER "D16" at 270.166,192.5 h0.24; PIN_NUMBER "K15" at 269.166,186.5 h0.24; PIN_NUMBER "K16" at 270.166,186.5 h0.24; PIN_NUMBER "E18" at 272.166,191.5 h0.24; PIN_NUMBER "F16" at 270.166,190.5 h0.24; PIN_NUMBER "M16" at 270.166,184.5 h0.24; PIN_NUMBER "B18" at 272.166,194.5 h0.24; PIN_NUMBER "G16" at 270.166,189.5 h0.24; PIN_NUMBER "P14" at 268.166,182.5 h0.24; PIN_NUMBER "N13" at 267.166,183.5 h0.24; PIN_NUMBER "N14" at 268.166,183.5 h0.24; PIN_NUMBER "M12" at 266.166,184.5 h0.24; PIN_NUMBER "M13" at 267.166,184.5 h0.24; PIN_NUMBER "M14" at 268.166,184.5 h0.24; PIN_NUMBER "H12" at 266.166,188.5 h0.24; PIN_NUMBER "H13" at 267.166,188.5 h0.24; PIN_NUMBER "H14" at 268.166,188.5 h0.24; PIN_NUMBER "E6" at 259.854,191.5 h0.24; PIN_NUMBER "E7" at 260.854,191.5 h0.24; PIN_NUMBER "F7" at 260.854,190.5 h0.24; PIN_NUMBER "E8" at 261.854,191.5 h0.24; PIN_NUMBER "F8" at 261.854,190.5 h0.24; PIN_NUMBER "L5" at 258.854,185.5 h0.24; PIN_NUMBER "L6" at 259.854,185.5 h0.24; PIN_NUMBER "L7" at 260.854,185.5 h0.24; PIN_NUMBER "G7" at 260.854,189.5 h0.24; PIN_NUMBER "G5" at 258.854,189.5 h0.24; PIN_NUMBER "G6" at 259.854,189.5 h0.24; PIN_NUMBER "F5" at 258.854,190.5 h0.24; PIN_NUMBER "F6" at 259.854,190.5 h0.24; PIN_NUMBER "E5" at 258.854,191.5 h0.24; PIN_NUMBER "P11" at 265.166,182.5 h0.24; PIN_NUMBER "N11" at 265.166,183.5 h0.24; PIN_NUMBER "P12" at 266.166,182.5 h0.24; PIN_NUMBER "N12" at 266.166,183.5 h0.24; PIN_NUMBER "P13" at 267.166,182.5 h0.24; PIN_NUMBER "K12" at 266.166,186.5 h0.24; PIN_NUMBER "K13" at 267.166,186.5 h0.24; PIN_NUMBER "K14" at 268.166,186.5 h0.24; PIN_NUMBER "E10" at 263.936,191.5 h0.24; PIN_NUMBER "F10" at 263.936,190.5 h0.24; PIN_NUMBER "J5" at 258.854,187.5 h0.24; PIN_NUMBER "J6" at 259.854,187.5 h0.24; PIN_NUMBER "J7" at 260.854,187.5 h0.24; PIN_NUMBER "N9" at 262.854,183.5 h0.24; PIN_NUMBER "P9" at 262.854,182.5 h0.24; PIN_NUMBER "C16" at 270.166,193.5 h0.24; PIN_NUMBER "G17" at 271.166,189.5 h0.24; PIN_NUMBER "C13" at 267.166,193.5 h0.24; PIN_NUMBER "B13" at 267.166,194.5 h0.24; PIN_NUMBER "A13" at 267.166,195.5 h0.24; PIN_NUMBER "D14" at 268.166,192.5 h0.24; PIN_NUMBER "C14" at 268.166,193.5 h0.24; PIN_NUMBER "B14" at 268.166,194.5 h0.24; PIN_NUMBER "A14" at 268.166,195.5 h0.24; PIN_NUMBER "K17" at 271.166,186.5 h0.24; PIN_NUMBER "K18" at 272.166,186.5 h0.24; PIN_NUMBER "L15" at 269.166,185.5 h0.24; PIN_NUMBER "L16" at 270.166,185.5 h0.24; PIN_NUMBER "A8" at 261.854,195.5 h0.24; PIN_NUMBER "D9" at 262.854,192.5 h0.24; PIN_NUMBER "C11" at 265.166,193.5 h0.24; PIN_NUMBER "B11" at 265.166,194.5 h0.24; PIN_NUMBER "A11" at 265.166,195.5 h0.24; PIN_NUMBER "D10" at 263.936,192.5 h0.24; PIN_NUMBER "C10" at 263.936,193.5 h0.24; PIN_NUMBER "B10" at 263.936,194.5 h0.24; PIN_NUMBER "A10" at 263.936,195.5 h0.24; PIN_NUMBER "C9" at 262.854,193.5 h0.24; PIN_NUMBER "B9" at 262.854,194.5 h0.24; PIN_NUMBER "A9" at 262.854,195.5 h0.24; PIN_NUMBER "D8" at 261.854,192.5 h0.24; PIN_NUMBER "C8" at 261.854,193.5 h0.24; PIN_NUMBER "B8" at 261.854,194.5 h0.24; PIN_NUMBER "D11" at 265.166,192.5 h0.24; PIN_NUMBER "V8" at 261.854,178.5 h0.24; PIN_NUMBER "R9" at 262.854,181.5 h0.24; PIN_NUMBER "T11" at 265.166,180.5 h0.24; PIN_NUMBER "U11" at 265.166,179.5 h0.24; PIN_NUMBER "V11" at 265.166,178.5 h0.24; PIN_NUMBER "R10" at 263.936,181.5 h0.24; PIN_NUMBER "T10" at 263.936,180.5 h0.24; PIN_NUMBER "U10" at 263.936,179.5 h0.24; PIN_NUMBER "V10" at 263.936,178.5 h0.24; PIN_NUMBER "T9" at 262.854,180.5 h0.24; PIN_NUMBER "U9" at 262.854,179.5 h0.24; PIN_NUMBER "V9" at 262.854,178.5 h0.24; PIN_NUMBER "R8" at 261.854,181.5 h0.24; PIN_NUMBER "T8" at 261.854,180.5 h0.24; PIN_NUMBER "U8" at 261.854,179.5 h0.24; PIN_NUMBER "R11" at 265.166,181.5 h0.24; PIN_NUMBER "R17" at 271.166,181.5 h0.24; PIN_NUMBER "V18" at 272.166,178.5 h0.24; PIN_NUMBER "P18" at 272.166,182.5 h0.24; PIN_NUMBER "P17" at 271.166,182.5 h0.24; PIN_NUMBER "P16" at 270.166,182.5 h0.24; PIN_NUMBER "N18" at 272.166,183.5 h0.24; PIN_NUMBER "N17" at 271.166,183.5 h0.24; PIN_NUMBER "N16" at 270.166,183.5 h0.24; PIN_NUMBER "N15" at 269.166,183.5 h0.24; PIN_NUMBER "U18" at 272.166,179.5 h0.24; PIN_NUMBER "U17" at 271.166,179.5 h0.24; PIN_NUMBER "T18" at 272.166,180.5 h0.24; PIN_NUMBER "T17" at 271.166,180.5 h0.24; PIN_NUMBER "T16" at 270.166,180.5 h0.24; PIN_NUMBER "R18" at 272.166,181.5 h0.24; PIN_NUMBER "R16" at 270.166,181.5 h0.24; PIN_NUMBER "V12" at 266.166,178.5 h0.24; PIN_NUMBER "R13" at 267.166,181.5 h0.24; PIN_NUMBER "T15" at 269.166,180.5 h0.24; PIN_NUMBER "U15" at 269.166,179.5 h0.24; PIN_NUMBER "V15" at 269.166,178.5 h0.24; PIN_NUMBER "R14" at 268.166,181.5 h0.24; PIN_NUMBER "T14" at 268.166,180.5 h0.24; PIN_NUMBER "U14" at 268.166,179.5 h0.24; PIN_NUMBER "V14" at 268.166,178.5 h0.24; PIN_NUMBER "T13" at 267.166,180.5 h0.24; PIN_NUMBER "U13" at 267.166,179.5 h0.24; PIN_NUMBER "V13" at 267.166,178.5 h0.24; PIN_NUMBER "R12" at 266.166,181.5 h0.24; PIN_NUMBER "T12" at 266.166,180.5 h0.24; PIN_NUMBER "U12" at 266.166,179.5 h0.24; PIN_NUMBER "V16" at 270.166,178.5 h0.24; PIN_NUMBER "A3" at 256.854,195.5 h0.24; PIN_NUMBER "D5" at 258.854,192.5 h0.24; PIN_NUMBER "C7" at 260.854,193.5 h0.24; PIN_NUMBER "B7" at 260.854,194.5 h0.24; PIN_NUMBER "A7" at 260.854,195.5 h0.24; PIN_NUMBER "D6" at 259.854,192.5 h0.24; PIN_NUMBER "C6" at 259.854,193.5 h0.24; PIN_NUMBER "B6" at 259.854,194.5 h0.24; PIN_NUMBER "A6" at 259.854,195.5 h0.24; PIN_NUMBER "C5" at 258.854,193.5 h0.24; PIN_NUMBER "B5" at 258.854,194.5 h0.24; PIN_NUMBER "A5" at 258.854,195.5 h0.24; PIN_NUMBER "C4" at 257.854,193.5 h0.24; PIN_NUMBER "B4" at 257.854,194.5 h0.24; PIN_NUMBER "A4" at 257.854,195.5 h0.24; PIN_NUMBER "D7" at 260.854,192.5 h0.24; PIN_NUMBER "V6" at 259.854,178.5 h0.24; PIN_NUMBER "R7" at 260.854,181.5 h0.24; PIN_NUMBER "T5" at 258.854,180.5 h0.24; PIN_NUMBER "U5" at 258.854,179.5 h0.24; PIN_NUMBER "V5" at 258.854,178.5 h0.24; PIN_NUMBER "T4" at 257.854,180.5 h0.24; PIN_NUMBER "U4" at 257.854,179.5 h0.24; PIN_NUMBER "V4" at 257.854,178.5 h0.24; PIN_NUMBER "V3" at 256.854,178.5 h0.24; PIN_NUMBER "T7" at 260.854,180.5 h0.24; PIN_NUMBER "U7" at 260.854,179.5 h0.24; PIN_NUMBER "V7" at 260.854,178.5 h0.24; PIN_NUMBER "R6" at 259.854,181.5 h0.24; PIN_NUMBER "T6" at 259.854,180.5 h0.24; PIN_NUMBER "U6" at 259.854,179.5 h0.24; PIN_NUMBER "R5" at 258.854,181.5 h0.24; PIN_NUMBER "C15" at 269.166,193.5 h0.24; PIN_NUMBER "B15" at 269.166,194.5 h0.24; PIN_NUMBER "A15" at 269.166,195.5 h0.24; PIN_NUMBER "B16" at 270.166,194.5 h0.24; PIN_NUMBER "A16" at 270.166,195.5 h0.24; PIN_NUMBER "A17" at 271.166,195.5 h0.24; PIN_NUMBER "A18" at 272.166,195.5 h0.24; PIN_NUMBER "B17" at 271.166,194.5 h0.24; PIN_NUMBER "H16" at 270.166,188.5 h0.24; PIN_NUMBER "H15" at 269.166,188.5 h0.24; PIN_NUMBER "B12" at 266.166,194.5 h0.24; PIN_NUMBER "C12" at 266.166,193.5 h0.24; PIN_NUMBER "A12" at 266.166,195.5 h0.24; PIN_NUMBER "D13" at 267.166,192.5 h0.24; PIN_NUMBER "F17" at 271.166,190.5 h0.24; PIN_NUMBER "F18" at 272.166,190.5 h0.24; PIN_NUMBER "D17" at 271.166,192.5 h0.24; PIN_NUMBER "D18" at 272.166,192.5 h0.24; PIN_NUMBER "E16" at 270.166,191.5 h0.24; PIN_NUMBER "E17" at 271.166,191.5 h0.24; PIN_NUMBER "L12" at 266.166,185.5 h0.24; PIN_NUMBER "L13" at 267.166,185.5 h0.24; PIN_NUMBER "L14" at 268.166,185.5 h0.24; PIN_NUMBER "L17" at 271.166,185.5 h0.24; PIN_NUMBER "L18" at 272.166,185.5 h0.24; PIN_NUMBER "J12" at 266.166,187.5 h0.24; PIN_NUMBER "J13" at 267.166,187.5 h0.24; PIN_NUMBER "J14" at 268.166,187.5 h0.24; PIN_NUMBER "H17" at 271.166,188.5 h0.24; PIN_NUMBER "H18" at 272.166,188.5 h0.24; PIN_NUMBER "G12" at 266.166,189.5 h0.24; PIN_NUMBER "G13" at 267.166,189.5 h0.24; PIN_NUMBER "G14" at 268.166,189.5 h0.24; PIN_NUMBER "F13" at 267.166,190.5 h0.24; PIN_NUMBER "F14" at 268.166,190.5 h0.24; PIN_NUMBER "E14" at 268.166,191.5 h0.24; PIN_NUMBER "E9" at 262.854,191.5 h0.24; PIN_NUMBER "F9" at 262.854,190.5 h0.24; PIN_NUMBER "F11" at 265.166,190.5 h0.24; PIN_NUMBER "E11" at 265.166,191.5 h0.24; PIN_NUMBER "F12" at 266.166,190.5 h0.24; PIN_NUMBER "E12" at 266.166,191.5 h0.24; PIN_NUMBER "E13" at 267.166,191.5 h0.24; PIN_NUMBER "P5" at 258.854,182.5 h0.24; PIN_NUMBER "N6" at 259.854,183.5 h0.24; PIN_NUMBER "N5" at 258.854,183.5 h0.24; PIN_NUMBER "M5" at 258.854,184.5 h0.24; PIN_NUMBER "M6" at 259.854,184.5 h0.24; PIN_NUMBER "M7" at 260.854,184.5 h0.24; PIN_NUMBER "K5" at 258.854,186.5 h0.24; PIN_NUMBER "K6" at 259.854,186.5 h0.24; PIN_NUMBER "K7" at 260.854,186.5 h0.24; PIN_NUMBER "H5" at 258.854,188.5 h0.24; PIN_NUMBER "H6" at 259.854,188.5 h0.24; PIN_NUMBER "H7" at 260.854,188.5 h0.24; PIN_NUMBER "P6" at 259.854,182.5 h0.24; PIN_NUMBER "N7" at 260.854,183.5 h0.24; PIN_NUMBER "P7" at 260.854,182.5 h0.24; PIN_NUMBER "N8" at 261.854,183.5 h0.24; PIN_NUMBER "P8" at 261.854,182.5 h0.24; PIN_NUMBER "P10" at 263.936,182.5 h0.24; PIN_NUMBER "N10" at 263.936,183.5 h0.24; PIN_NUMBER "D12" at 266.166,192.5 h0.24; PIN_NUMBER "G15" at 269.166,189.5 h0.24; PIN_NUMBER "M15" at 269.166,184.5 h0.24; PIN_NUMBER "G18" at 272.166,189.5 h0.24; PIN_NUMBER "R15" at 269.166,181.5 h0.24; PIN_NUMBER "P15" at 269.166,182.5 h0.24; PIN_NUMBER "J15" at 269.166,187.5 h0.24; PIN_NUMBER "F15" at 269.166,190.5 h0.24; PIN_NUMBER "E15" at 269.166,191.5 h0.24; PIN_NUMBER "D15" at 269.166,192.5 h0.24; PIN_NUMBER "V17" at 271.166,178.5 h0.24; PIN_NUMBER "U16" at 270.166,179.5 h0.24; PIN_NUMBER "M3" at 256.854,184.5 h0.24; PIN_NUMBER "M1" at 254.624,184.5 h0.24; PIN_NUMBER "R4" at 257.854,181.5 h0.24; PIN_NUMBER "N2" at 255.854,183.5 h0.24; PIN_NUMBER "F3" at 256.854,190.5 h0.24; PIN_NUMBER "D1" at 254.624,192.5 h0.24; PIN_NUMBER "D4" at 257.854,192.5 h0.24; PIN_NUMBER "D3" at 256.854,192.5 h0.24; PIN_NUMBER "C3" at 256.854,193.5 h0.24; PIN_NUMBER "C2" at 255.854,193.5 h0.24; PIN_NUMBER "C1" at 254.624,193.5 h0.24; PIN_NUMBER "B3" at 256.854,194.5 h0.24; PIN_NUMBER "B2" at 255.854,194.5 h0.24; PIN_NUMBER "V2" at 255.854,178.5 h0.24; PIN_NUMBER "V1" at 254.624,178.5 h0.24; PIN_NUMBER "B1" at 254.624,194.5 h0.24; PIN_NUMBER "U3" at 256.854,179.5 h0.24; PIN_NUMBER "U2" at 255.854,179.5 h0.24; PIN_NUMBER "U1" at 254.624,179.5 h0.24; PIN_NUMBER "T3" at 256.854,180.5 h0.24; PIN_NUMBER "T2" at 255.854,180.5 h0.24; PIN_NUMBER "T1" at 254.624,180.5 h0.24; PIN_NUMBER "R2" at 255.854,181.5 h0.24; PIN_NUMBER "R1" at 254.624,181.5 h0.24; PIN_NUMBER "P4" at 257.854,182.5 h0.24; PIN_NUMBER "P3" at 256.854,182.5 h0.24; PIN_NUMBER "A2" at 255.854,195.5 h0.24; PIN_NUMBER "P2" at 255.854,182.5 h0.24; PIN_NUMBER "P1" at 254.624,182.5 h0.24; PIN_NUMBER "N4" at 257.854,183.5 h0.24; PIN_NUMBER "N3" at 256.854,183.5 h0.24; PIN_NUMBER "F2" at 255.854,190.5 h0.24; PIN_NUMBER "F1" at 254.624,190.5 h0.24; PIN_NUMBER "E4" at 257.854,191.5 h0.24; PIN_NUMBER "E3" at 256.854,191.5 h0.24; PIN_NUMBER "E2" at 255.854,191.5 h0.24; PIN_NUMBER "E1" at 254.624,191.5 h0.24; PIN_NUMBER "A1" at 254.624,195.5 h0.24; PIN_NUMBER "R3" at 256.854,181.5 h0.24; PIN_NUMBER "N1" at 254.624,183.5 h0.24; PIN_NUMBER "F4" at 257.854,190.5 h0.24; PIN_NUMBER "D2" at 255.854,192.5 h0.24; PIN_NUMBER "J4" at 257.854,187.5 h0.24; PIN_NUMBER "J3" at 256.854,187.5 h0.24; PIN_NUMBER "M4" at 257.854,184.5 h0.24; PIN_NUMBER "J1" at 254.624,187.5 h0.24; PIN_NUMBER "J2" at 255.854,187.5 h0.24; PIN_NUMBER "M2" at 255.854,184.5 h0.24; PIN_NUMBER "G1" at 254.624,189.5 h0.24; PIN_NUMBER "G2" at 255.854,189.5 h0.24; PIN_NUMBER "K4" at 257.854,186.5 h0.24; PIN_NUMBER "H2" at 255.854,188.5 h0.24; PIN_NUMBER "L1" at 254.624,185.5 h0.24; PIN_NUMBER "H1" at 254.624,188.5 h0.24; PIN_NUMBER "L2" at 255.854,185.5 h0.24; PIN_NUMBER "G4" at 257.854,189.5 h0.24; PIN_NUMBER "L3" at 256.854,185.5 h0.24; PIN_NUMBER "G3" at 256.854,189.5 h0.24; PIN_NUMBER "L4" at 257.854,185.5 h0.24; PIN_NUMBER "K1" at 254.624,186.5 h0.24; PIN_NUMBER "H4" at 257.854,188.5 h0.24; PIN_NUMBER "K3" at 256.854,186.5 h0.24; PIN_NUMBER "H3" at 256.854,188.5 h0.24; PIN_NUMBER "K2" at 255.854,186.5 h0.24